# Allegro board pc065c_fibv2_toplevel_26_waive.brd (continued)
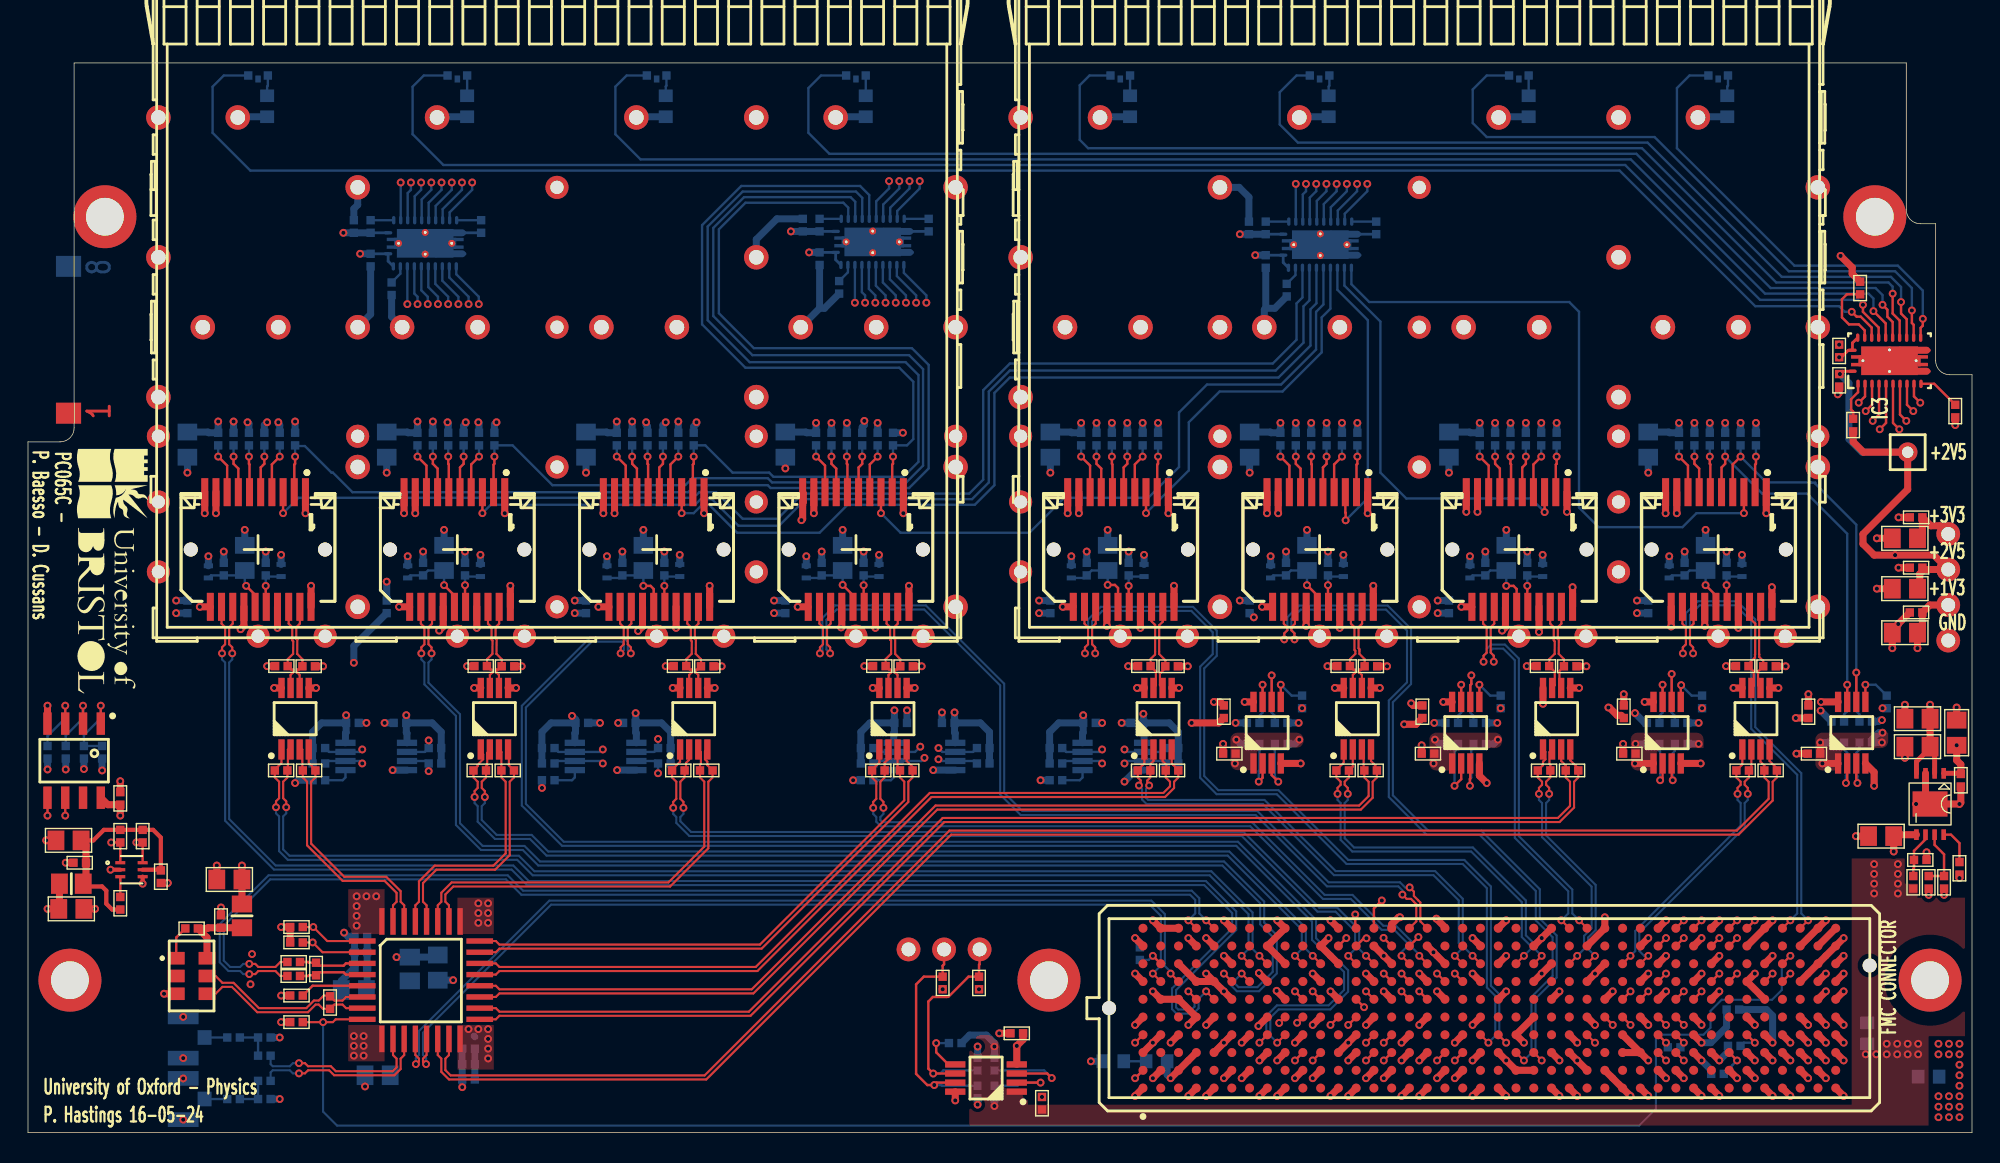
[diagram p0: board, top side]
## Routing (per net, layer and track width the routed paths; a pad name or vN(x,y) marks a point on that pad's centre or on a via; arc(x,y) is an arc through that point) (continued)
  BOTTOM w0.15: v1(98.27,17.02) 98.27,17.32 97.98,17.61 92.88,17.61 87.78,22.71 70.98,22.71 69.51,24.18 69.51,31.98 64.08,37.41 57.82,37.41 57.09,36.68 57.09,34.54 v1(57.35,34.27)
RD_FPGA_P<4>: length 62.3
  TOP w0.15: 103.86,7 v1(104.42,6.43) ; v1(76.31,34.27) 76.31,34.7 76.08,34.92 76.08,36.14 76.34,36.4 J36.13
  BOTTOM w0.15: v1(76.31,34.27) 76.31,34.71 76.08,34.93 76.08,36.57 76.82,37.31 83.18,37.31 84.71,35.78 84.71,34.22 83.81,33.32 83.81,25.38 84.99,24.2 89.29,24.2 94.28,19.21 102.58,19.21 104.31,17.48 104.31,10.38 104.91,9.78 104.91,6.92 v1(104.42,6.43)
RD_FPGA_P<5>: length 53.2
  TOP w0.15: J32.13 90.59,36.4 90.33,36.14 90.33,35.92 90.56,35.7 v1(90.56,35.27) ; 106.39,5.72 v1(106.96,5.16)
  BOTTOM w0.15: v1(90.56,35.27) 90.56,35.71 90.33,35.93 90.33,36.73 91,37.4 97.1,37.4 98.6,35.9 98.6,32.2 97.3,30.9 97.3,24 100,21.3 103.79,21.3 107.81,17.28 107.81,15.18 109.01,13.98 109.01,11.21 107.5,9.7 107.5,5.7 v1(106.96,5.16)
RD_FPGA_P<6>: length 28.3
  TOP w0.15: J28.13 104.84,36.4 104.58,36.14 104.58,34.32 104.81,34.1 v1(104.81,33.67) ; J2.K25 v1(109.64,15.18)
  BOTTOM w0.15: v1(109.64,15.18) 110.13,15.67 110.13,17.26 106.31,21.08 106.31,33.78 105.48,34.61 104.73,34.61 104.58,34.46 104.58,34.33 104.81,34.11 v1(104.81,33.67)
RD_FPGA_P<7>: length 35.3
  TOP w0.15: 125.44,14.62 v1(126.01,15.18) ; J24.13 119.09,36.4 118.83,36.14 118.83,34.92 119.06,34.7 v1(119.06,34.27)
  BOTTOM w0.15: v1(119.06,34.27) 119.06,34.71 118.83,34.93 118.83,37.02 119.52,37.71 122.08,37.71 123.21,36.58 123.21,28.88 126.5,25.59 126.5,15.67 v1(126.01,15.18)
SFP_FAULT<0>: length 91.8
  TOP w0.17: v1(19.1,48.34) 19.1,47.83 19.04,47.77 J7.2
  BOTTOM w0.17: IC5.3 58.65,66.15 58.3,66.5 51.3,66.5 49.4,64.6 49.4,58.6 51.9,56.1 63.2,56.1 64.4,54.9 64.4,47.5 63,46.1 53.1,46.1 52.9,46.3 47.7,46.3 47.2,45.8 23.2,45.8 21.8,47.2 21.7,47.2 19.8,49.1 19.15,49.1 R24.2 v1(19.1,48.34)
SFP_FAULT<1>: length 78.2
  TOP w0.17: v1(33.35,48.34) 33.35,47.83 33.29,47.77 J12.2
  BOTTOM w0.17: IC5.4 59.15,66.57 58.82,66.9 51.2,66.9 49,64.7 49,58.4 51.8,55.6 63,55.6 64,54.6 64,47.7 62.8,46.5 53.2,46.5 52.9,46.8 47.5,46.8 47,46.3 37.5,46.3 34.65,49.15 R36.2 v1(33.35,48.34)
SFP_FAULT<2>: length 64.2
  TOP w0.17: v1(47.6,48.34) 47.6,47.83 47.54,47.77 J16.2
  BOTTOM w0.17: v1(47.6,48.34) R44.2 48.43,49.15 50.38,47.2 53,47.2 53.3,46.9 62.6,46.9 63.67,47.97 63.67,54.18 62.75,55.1 51.6,55.1 48.6,58.1 48.6,64.8 51.1,67.3 59.2,67.3 59.65,66.85 IC5.5
SFP_FAULT<3>: length 48.1
  TOP w0.17: J20.2 61.79,47.77 61.85,47.83 v1(61.85,48.34)
  BOTTOM w0.17: IC5.6 60.15,67.05 59.5,67.7 51,67.7 48.2,64.9 48.2,57.8 51.3,54.7 62.3,54.7 63.3,53.7 63.3,49.6 62.85,49.15 R52.2 v1(61.85,48.34)
SFP_FAULT<4>: length 46
  TOP w0.17: v1(80.8,48.34) 80.8,47.83 80.74,47.77 J36.2
  L6_SIG w0.17: v1(80.8,48.34) 79.64,49.5 73.6,49.5 71.8,51.3 63.9,51.3 57.8,57.4 57.8,65.3 60.55,68.05 v1(61.57,68.05)
  BOTTOM w0.17: IC5.7 60.65,66.6 61.57,67.52 v1(61.57,68.05) ; R125.2 v1(80.8,48.34)
SFP_FAULT<5>: length 56
  TOP w0.17: v1(95.05,48.34) 95.05,47.83 94.99,47.77 J32.2
  L6_SIG w0.17: v1(95.05,48.34) 97,50.3 97,56.8 94.9,58.9 92.9,58.9 86.3,65.5 63.4,65.5 62.3,66.6 v1(62.3,68.05)
  BOTTOM w0.17: IC5.8 61.15,66.37 62.3,67.52 v1(62.3,68.05) ; R117.2 v1(95.05,48.34)
SFP_FAULT<6>: length 69.3
  TOP w0.17: v1(109.3,48.34) 109.3,47.83 109.24,47.77 J28.2
  L6_SIG w0.17: v1(109.3,48.34) 109.79,48.34 110.5,49.05 110.5,58.5 109.6,59.4 93,59.4 86.2,66.2 64.39,66.2 63.03,67.56 v1(63.03,68.05)
  BOTTOM w0.17: v1(63.03,68.05) 63.03,67.52 61.65,66.14 IC5.9 ; R109.2 v1(109.3,48.34)
SFP_FAULT<7>: length 83.1
  TOP w0.17: v1(123.55,48.34) 123.55,47.83 123.49,47.77 J24.2
  L6_SIG w0.17: v1(63.76,68.05) 65.48,69.77 87.53,69.77 87.7,69.6 87.7,65.3 93.1,59.9 113.8,59.9 115.5,58.2 115.5,50.6 116.9,49.2 122.69,49.2 v1(123.55,48.34)
  BOTTOM w0.17: IC5.10 62.15,65.91 63.76,67.52 v1(63.76,68.05) ; R101.2 v1(123.55,48.34)
SFP_FAULT_FPGA<0>: length 120.7
  TOP w0.17: 91.16,8.27 v1(90.75,7.86)
  L6_SIG w0.17: v1(59.12,59.35) 59.12,63.23 59.6,63.7 60.6,63.7 61.5,64.6 85.1,64.6 92.3,57.4 92.3,47.6 100.2,39.7 100.4,39.9 100.4,40 101.8,38.6 101.8,37.1 103.7,35.2 104.8,35.2 105.89,34.11 105.89,27.09 106.4,26.58 106.4,4.9 106,4.5 94.1,4.5 v1(90.75,7.86)
  BOTTOM w0.17: IC5.21 v1(59.12,59.35)
SFP_FAULT_FPGA<1>: length 110.4
  TOP w0.17: J2.F11 v1(91.86,10.1)
  L6_SIG w0.17: v1(91.86,10.1) 93.8,8.16 93.8,6.2 94.2,5.8 100.5,5.8 104.7,10 104.7,25.88 98.5,32.08 98.5,40.27 91.2,47.58 91.2,57.48 84.67,64 64,64 62.9,62.9 59.85,59.85 v1(59.85,59.35)
  BOTTOM w0.17: IC5.20 59.62,60.11 59.85,59.88 v1(59.85,59.35)
SFP_FAULT_FPGA<2>: length 100.1
  TOP w0.17: 94.97,8.27 v1(94.4,7.7)
  L6_SIG w0.17: v1(60.59,59.35) 60.59,59.69 62.2,61.3 86.53,61.3 90.6,57.23 90.6,47.33 97.9,40.03 97.9,31.83 104.1,25.63 104.1,10.5 100.7,7.1 95,7.1 v1(94.4,7.7)
  BOTTOM w0.17: v1(60.59,59.35) 60.59,59.88 60.12,60.34 IC5.19
SFP_FAULT_FPGA<3>: length 85.5
  TOP w0.17: 94.97,13.35 95.52,13.9 v1(95.7,13.9)
  L6_SIG w0.17: v1(61.31,59.35) 61.31,58.59 65.6,54.3 80.4,54.3 82.9,51.8 82.9,44.1 87.25,39.75 87.25,37.65 86.9,37.3 86.9,36.7 91.75,31.85 91.75,26.75 93,25.5 93,19.6 98.2,14.4 98.2,13.5 98.9,12.8 98.9,9.6 98.6,9.3 96.8,9.3 96.4,9.7 96.4,13.2 v1(95.7,13.9)
  BOTTOM w0.17: v1(61.31,59.35) 61.31,59.88 60.62,60.57 IC5.18
SFP_FAULT_FPGA<4>: length 93.1
  TOP w0.17: J2.F14 v1(95.67,10.1)
  L6_SIG w0.17: v1(95.67,10.1) 95.67,9.61 96.58,8.7 100.6,8.7 102.7,10.8 102.7,25.05 96.5,31.25 96.5,39.45 88.65,47.3 88.65,53.95 86.8,55.8 86.8,58.1 84.4,60.5 62.7,60.5 62.05,59.84 v1(62.05,59.35)
  BOTTOM w0.17: v1(62.05,59.35) 62.05,59.88 61.12,60.8 IC5.17
SFP_FAULT_FPGA<5>: length 71
  TOP w0.17: J2.K14 96.23,16.04 v1(96.8,16.6)
  L6_SIG w0.17: v1(96.8,16.6) 96.8,22.6 92.45,26.95 92.45,31.8 89.2,35.05 89.2,38.4 83.3,44.3 83.3,52.3 80.6,55 65.7,55 62.77,57.93 v1(62.77,59.35)
  BOTTOM w0.17: IC5.16 61.62,61.03 62.77,59.88 v1(62.77,59.35)
SFP_FAULT_FPGA<6>: length 77.4
  TOP w0.17: 98.78,13.35 v1(99.42,13.98)
  L6_SIG w0.17: v1(99.42,13.98) 99.42,16.41 100.8,17.8 100.8,24.26 94.6,30.46 94.6,38.66 90.56,42.7 88.4,42.7 86.4,44.7 86.4,53.2 83.9,55.7 65.8,55.7 63.51,57.99 v1(63.51,59.35)
  BOTTOM w0.17: IC5.15 62.12,61.26 63.51,59.88 v1(63.51,59.35)
SFP_FAULT_FPGA<7>: length 79.9
  TOP w0.17: J2.F17 v1(99.48,10.1)
  L6_SIG w0.17: v1(99.48,10.1) 100.2,10.82 100.2,11.7 101.3,12.8 101.3,24.47 95.1,30.67 95.1,38.87 88.23,45.73 88.23,53.11 85.14,56.2 72.4,56.2 69.25,59.35 v1(64.23,59.35)
  BOTTOM w0.17: v1(64.23,59.35) 64.23,59.88 62.62,61.49 IC5.14
SFP_I2C_SCL<0>: length 32.1
  TOP w0.17: J7.5 16.64,47.57 16.9,47.83 v1(16.9,48.34)
  L6_SIG w0.17: v1(23.9,27.4) 20.6,27.4 19.4,28.6 19.4,41.9 16.9,44.4 v1(16.9,48.34)
  BOTTOM w0.17: R27.1 v1(16.9,48.34) ; R140.1 21.52,27.23 IC12.7 23.73,27.23 23.9,27.39 v1(23.9,27.4)
SFP_I2C_SCL<1>: length 34.6
  TOP w0.17: v1(31.15,48.34) 31.15,47.83 30.89,47.57 J12.5
  L6_SIG w0.17: v1(31.15,48.34) 31.15,47.45 33.2,45.4 33.2,41.6 35.6,39.2 39.8,39.2 40.1,38.9 40.1,28.4 v1(41.1,27.4)
  BOTTOM w0.17: R39.1 v1(31.15,48.34) ; R145.1 37.92,27.23 IC14.7 40.92,27.23 v1(41.1,27.4)
SFP_I2C_SCL<2>: length 43
  TOP w0.17: J16.5 45.14,47.57 45.4,47.83 v1(45.4,48.34)
  L6_SIG w0.17: v1(45.4,48.34) 44.7,47.65 44.7,41.2 47,38.9 47,32.54 51.94,27.6 v1(63.8,27.6)
  BOTTOM w0.17: R150.1 60.73,27.23 IC15.7 63.42,27.23 v1(63.8,27.6) ; R47.1 v1(45.4,48.34)
SFP_I2C_SCL<3>: length 47
  TOP w0.17: v1(59.65,48.34) 59.65,47.83 59.39,47.57 J20.5
  L6_SIG w0.17: v1(59.65,48.34) 59.65,48.93 59.82,49.1 62.1,49.1 64.98,46.22 67.12,46.22 67.82,46.92 72.28,46.92 73.28,45.92 75.98,45.92 76.62,45.28 76.62,42.58 77.22,41.98 77.22,41.02 75.52,39.32 75.52,35.72 74.7,34.9 74.7,28.3 75.6,27.4 v1(76.8,27.4)
  BOTTOM w0.17: R155.1 74.22,27.23 IC16.7 76.62,27.23 v1(76.8,27.4) ; R55.1 v1(59.65,48.34)
SFP_I2C_SCL<4>: length 28.5
  TOP w0.17: v1(78.6,48.34) 78.6,47.83 78.34,47.57 J36.5 ; 88.28,30.8 v1(88.28,32.03)
  L6_SIG w0.17: v1(88.28,32.03) 88.28,33.13 87,34.4 85.8,34.4 82.7,37.5 82.7,39.6 78.6,43.7 v1(78.6,48.34)
  BOTTOM w0.17: v1(88.28,32.03) 88.28,30.04 88.05,29.81 R160.1 ; R128.1 v1(78.6,48.34)
SFP_I2C_SCL<5>: length 27.8
  TOP w0.17: v1(92.85,48.34) 92.85,47.83 92.59,47.57 J32.5 ; IC18.7 v1(102.47,32.03)
  L6_SIG w0.17: v1(102.47,32.03) 102.47,33.76 100,36.23 100,40.7 92.85,47.85 v1(92.85,48.34)
  BOTTOM w0.17: R120.1 v1(92.85,48.34) ; v1(102.47,32.03) 102.47,30.04 102.25,29.81 R165.1
SFP_I2C_SCL<6>: length 27.9
  TOP w0.17: IC19.7 v1(116.88,32.03) ; v1(107.1,48.34) 107.1,47.83 106.84,47.57 J28.5
  L6_SIG w0.17: v1(107.1,48.34) 116,39.45 116,32.91 v1(116.88,32.03)
  BOTTOM w0.17: R170.1 116.65,29.81 116.88,30.04 v1(116.88,32.03) ; R112.1 v1(107.1,48.34)
SFP_I2C_SCL<7>: length 29.2
  TOP w0.17: v1(121.35,48.34) 121.35,47.83 121.09,47.57 J24.5 ; 130.07,30.8 v1(130.07,32.03)
  BOTTOM w0.17: R175.1 129.85,29.91 130.07,30.14 v1(130.07,32.03) 130.07,42.83 127.2,45.7 124,45.7 v1(121.35,48.34) R104.1
SFP_I2C_SCL_CVCC<0>: length 85.8
  TOP w0.17: 92.42,5.72 v1(91.86,5.16)
  L3_SIG w0.17: v1(28.65,28.05) 27.9,27.3 27.9,24.7 30.1,22.5 59.3,22.5 61.7,20.1 66.9,20.1 70.2,16.8 70.2,8.4 75.3,3.3 91,3.3 91.2,3.5 91.2,4.5 v1(91.86,5.16)
  BOTTOM w0.17: IC12.2 28.38,27.23 R137.1 v1(28.65,28.05)
SFP_I2C_SCL_CVCC<1>: length 75.9
  TOP w0.17: 98.78,10.8 v1(98.21,11.37)
  L3_SIG w0.17: v1(98.21,11.37) 97.5,12.08 97.5,17.5 98.2,18.2 98.2,25.7 92.5,31.4 90.7,31.4 89.3,30 84.4,30 83.2,31.2 60.8,31.2 57.75,28.15 v1(45.05,28.15)
  BOTTOM w0.17: v1(45.05,28.15) R142.1 44.77,27.23 IC14.2
SFP_I2C_SCL_CVCC<2>: length 48.6
  TOP w0.17: 97.5,5.72 v1(96.94,5.16)
  L3_SIG w0.17: v1(96.94,5.16) 96.45,5.16 95.81,5.8 95.3,5.8 95.1,6 95.1,8.23 94.9,8.43 94.9,9.3 93.5,10.7 91.2,10.7 91.2,10.9 89.8,12.3 89.8,13.6 87.5,15.9 77.9,15.9 77.4,16.4 77.4,18.13 68.03,27.5 v1(65.1,27.5)
  BOTTOM w0.17: v1(65.1,27.5) 65.38,27.23 IC15.2 67.58,27.23 R147.1
SFP_I2C_SCL_CVCC<3>: length 104.3
  TOP w0.17: 121.64,10.8 v1(122.2,11.37)
  L3_SIG w0.17: v1(78.4,27.4) 77.7,28.1 72.3,28.1 71.2,29.2 62.9,29.2 61.9,28.2 61.9,23.4 64.1,21.2 67.83,21.2 83.33,5.7 92.2,5.7 96.4,1.5 112.5,1.5 113.7,2.7 113.7,5.3 114.1,5.7 121.5,5.7 122.2,6.4 v1(122.2,11.37)
  BOTTOM w0.17: R152.1 81.08,27.23 IC16.2 78.58,27.23 v1(78.4,27.4)
SFP_I2C_SCL_CVCC<4>: length 35.1
  TOP w0.17: v1(88,25.1) 88.28,25.38 88.28,26.4 ; 102.58,5.72 v1(102.02,5.16)
  L3_SIG w0.17: v1(88,25.1) 88.7,25.8 91.4,25.8 92.8,24.4 92.8,17 93.7,16.1 93.7,12.4 95.4,10.7 97.33,10.7 97.6,10.43 97.6,9.8 98.5,8.9 99.1,8.9 101.2,6.8 101.2,5.98 v1(102.02,5.16)
  BOTTOM w0.17: R157.1 88.05,25.91 88,25.86 v1(88,25.1)
SFP_I2C_SCL_CVCC<5>: length 36.6
  TOP w0.17: v1(102,24.8) 102.47,25.27 IC18.2 ; J2.D15 v1(96.94,6.43)
  L3_SIG w0.17: v1(102,24.8) 102,17.6 98.8,14.4 98.8,9.9 99.6,9.1 100.3,9.1 102.7,6.7 102.7,5 102.2,4.5 100.4,4.5 100.1,4.8 100.1,5.6 98.6,7.1 97.61,7.1 v1(96.94,6.43)
  BOTTOM w0.17: R162.1 102.25,27.49 102,27.24 v1(102,24.8)
SFP_I2C_SCL_CVCC<6>: length 26.2
  TOP w0.15: v1(116.7,25.2) 116.88,25.38 IC19.2 ; J2.G19 v1(102.02,11.37)
  L3_SIG w0.15: v1(102.02,11.37) 102.65,12 103.7,12 105,13.3 106.6,13.3 108,14.7 108,16.5 v1(116.7,25.2)
  BOTTOM w0.15: R167.1 116.65,27.29 116.7,27.24 v1(116.7,25.2)
SFP_I2C_SCL_CVCC<7>: length 21.3
  TOP w0.17: 130.07,26.4 130.07,25.09 v1(129.99,25) ; J2.G37 v1(126.01,11.37)
  L3_SIG w0.17: v1(126.01,11.37) 127.27,11.37 128,12.1 128,16.1 129.99,18.08 v1(129.99,25)
  BOTTOM w0.17: v1(129.99,25) 129.99,25.54 130.07,25.63 130.07,27.16 129.85,27.39 R172.1
SFP_I2C_SDA<0>: length 34.3
  TOP w0.17: v1(18,48.34) 17.44,47.78 J7.4
  L6_SIG w0.17: v1(23.9,26.4) 24.5,27 24.5,27.93 23.93,28.5 21.7,28.5 20,30.2 20,37.4 21,38.4 21,40.44 19.9,41.54 19.9,42.5 21,43.6 21,44.06 18,47.06 v1(18,48.34)
  BOTTOM w0.17: v1(23.9,26.4) 23.73,26.57 IC12.6 21.43,26.57 R139.1 ; R28.1 v1(18,48.34)
SFP_I2C_SDA<1>: length 35
  TOP w0.17: v1(32.25,48.34) 31.69,47.78 J12.4
  L6_SIG w0.17: v1(32.25,48.34) 32.25,47.45 33.9,45.8 34.6,45.8 36.8,43.6 36.8,42 38.4,40.4 40.3,40.4 41.5,39.2 41.5,28.9 41.9,28.5 41.9,27.2 v1(41.1,26.4)
  BOTTOM w0.17: R144.1 37.83,26.57 IC14.6 40.92,26.57 v1(41.1,26.4) ; R40.1 v1(32.25,48.34)
SFP_I2C_SDA<2>: length 43.4
  TOP w0.17: v1(46.5,48.34) 45.94,47.78 J16.4
  L6_SIG w0.17: v1(64.1,26.8) 64.52,27.22 64.52,28.03 64.35,28.2 53.8,28.2 48.1,33.9 48.1,37.8 47.4,38.5 47.4,41.7 45.7,43.4 45.7,47.55 v1(46.5,48.34)
  BOTTOM w0.17: v1(64.1,26.8) 63.88,26.57 IC15.6 60.62,26.57 R149.1 ; R48.1 v1(46.5,48.34)
SFP_I2C_SDA<3>: length 45.9
  TOP w0.17: J20.4 60.19,47.78 v1(60.75,48.34)
  L6_SIG w0.17: v1(60.75,48.34) 63.3,45.8 67.3,45.8 68,46.5 72.1,46.5 73.1,45.5 75.8,45.5 76.2,45.1 76.2,42.4 76.8,41.8 76.8,41.2 75.1,39.5 75.1,36 74.2,35.1 74.2,27.47 75.27,26.4 v1(76.8,26.4)
  BOTTOM w0.17: v1(76.8,26.4) 76.62,26.57 IC16.6 74.12,26.57 R154.1 ; R56.1 v1(60.75,48.34)
SFP_I2C_SDA<4>: length 29.2
  TOP w0.17: IC17.6 v1(88.92,32.7) ; v1(79.7,48.34) 79.14,47.78 J36.4
  L6_SIG w0.17: v1(79.7,48.34) 79.7,45.8 80.9,44.6 80.9,42.1 83.3,39.7 83.3,37.67 85.47,35.5 86.83,35.5 88.92,33.4 v1(88.92,32.7)
  BOTTOM w0.17: R159.1 89.15,29.81 88.92,30.04 v1(88.92,32.7) ; R129.1 v1(79.7,48.34)
SFP_I2C_SDA<5>: length 30.5
  TOP w0.17: v1(93.95,48.34) 93.39,47.78 J32.4 ; IC18.6 103.12,32 103.2,32.08 v1(103.2,32.7)
  L6_SIG w0.17: v1(103.2,32.7) 100.2,35.7 99.2,35.7 97.4,37.5 97.4,39.77 95.7,41.47 95.7,42.6 96.6,43.5 96.6,46.83 96.43,47 95.3,47 v1(93.95,48.34)
  BOTTOM w0.17: R121.1 v1(93.95,48.34) ; v1(103.2,32.7) 103.2,32.08 103.12,32 103.12,30.04 103.35,29.81 R164.1
SFP_I2C_SDA<6>: length 28.6
  TOP w0.17: v1(108.2,48.34) 107.64,47.78 J28.4 ; IC19.6 v1(117.53,32.8)
  L6_SIG w0.17: v1(117.53,32.8) 116.9,33.42 116.9,39.15 108.2,47.85 v1(108.2,48.34)
  BOTTOM w0.17: R169.1 117.75,29.81 117.53,30.04 v1(117.53,32.8) ; R113.1 v1(108.2,48.34)
SFP_I2C_SDA<7>: length 30.2
  TOP w0.17: J24.4 121.89,47.78 v1(122.45,48.34) ; IC20.6 v1(130.72,32.9)
  BOTTOM w0.17: R105.1 v1(122.45,48.34) 124.3,46.5 127.49,46.5 127.51,46.48 127.8,46.48 127.8,46.4 130.72,43.48 v1(130.72,32.9) 130.72,30.14 130.95,29.91 R174.1
SFP_I2C_SDA_CVCC<0>: length 77.2
  TOP w0.17: 91.16,5.72 v1(90.59,5.16)
  L3_SIG w0.17: v1(90.59,5.16) 89.93,4.5 78.2,4.5 76.3,6.4 76.3,11.8 67.4,20.7 62.1,20.7 58.9,23.9 36.2,23.9 34.25,25.85 v1(28.65,25.85)
  BOTTOM w0.17: v1(28.65,25.85) R136.1 28.48,26.57 IC12.3
SFP_I2C_SDA_CVCC<1>: length 77.3
  TOP w0.17: J2.G15 v1(96.94,11.37)
  L3_SIG w0.17: v1(96.94,11.37) 96.3,12.01 96.3,14.8 95.6,15.5 95.6,16.7 97.5,18.6 97.5,25.7 92.3,30.9 90.8,30.9 88.6,28.7 84.9,28.7 82.8,30.8 61.5,30.8 56.4,25.7 v1(45.05,25.7)
  BOTTOM w0.17: IC14.3 44.88,26.57 R141.1 v1(45.05,25.7)
SFP_I2C_SDA_CVCC<2>: length 48.4
  TOP w0.17: 96.23,5.72 v1(95.67,5.16)
  L3_SIG w0.17: v1(65.1,26.7) 67.7,26.7 76.1,18.3 76.1,14.9 76.5,14.5 88,14.5 89.1,13.4 89.1,11.9 89.9,11.1 89.9,9.9 90.4,9.4 93.4,9.4 93.8,9 93.8,6.2 94.2,5.8 94.54,5.8 95.18,5.16 v1(95.67,5.16)
  BOTTOM w0.17: R146.1 67.67,26.57 IC15.3 65.22,26.57 v1(65.1,26.7)
SFP_I2C_SDA_CVCC<3>: length 101.7
  TOP w0.17: J2.G33 v1(120.93,11.37)
  L3_SIG w0.17: v1(120.93,11.37) 120.41,10.85 120.41,7.51 119.9,7 113.4,7 112.7,6.3 112.7,2.8 111.8,1.9 96.6,1.9 92.5,6 92.5,8.2 92.2,8.5 81.23,8.5 68.13,21.6 64.5,21.6 62.9,23.2 62.9,27.79 63.31,28.2 70.78,28.2 73.48,25.5 77.5,25.5 v1(78.4,26.4)
  BOTTOM w0.17: v1(78.4,26.4) 78.58,26.57 IC16.3 81.17,26.57 R151.1
SFP_I2C_SDA_CVCC<4>: length 31.4
  TOP w0.17: v1(89.4,25.1) 88.92,25.57 IC17.3 ; 101.31,5.72 v1(100.75,5.16)
  L3_SIG w0.17: v1(89.4,25.1) 90.2,25.1 91.9,23.4 91.9,13.7 93.1,12.5 93.1,11.8 95.4,9.5 96.9,9.5 100.75,5.65 v1(100.75,5.16)
  BOTTOM w0.17: 89.3,25.2 89.3,25.31 89.15,25.45 ; 89.3,25.2 89.15,25.34 89.15,25.45 ; 89.3,25.2 v1(89.4,25.1) ; 89.15,25.45 R156.1
SFP_I2C_SDA_CVCC<5>: length 39.3
  TOP w0.17: IC18.3 103.12,25.32 103.1,25.29 v1(103.1,24.8) ; J2.D14 v1(95.67,6.43)
  L3_SIG w0.17: v1(103.1,24.8) 103.1,14.6 100.1,11.6 100.1,9.9 103.9,6.1 103.9,4.7 102.4,3.2 99.9,3.2 98.8,4.3 98.8,5.4 98.4,5.8 96.79,5.8 96.16,6.43 v1(95.67,6.43)
  BOTTOM w0.17: v1(103.1,24.8) 103.1,25.29 103.19,25.39 103.19,27.33 103.35,27.49 R161.1
SFP_I2C_SDA_CVCC<6>: length 30.8
  TOP w0.15: IC19.3 117.53,25.27 v1(117.6,25.2) ; J2.G18 v1(100.75,11.37)
  L3_SIG w0.15: v1(100.75,11.37) 102.02,10.1 104.6,10.1 106.5,12 108.6,12 109.1,12.5 109.1,16.7 v1(117.6,25.2)
  BOTTOM w0.15: R166.1 117.75,27.29 117.6,27.14 v1(117.6,25.2)
SFP_I2C_SDA_CVCC<7>: length 25.2
  TOP w0.17: J2.G36 v1(124.74,11.37) ; v1(130.81,25) 130.72,25.08 IC20.3
  L3_SIG w0.17: v1(124.74,11.37) 125.41,10.7 128.93,10.7 129.2,10.97 129.2,16.3 131.3,18.4 131.3,24.5 v1(130.81,25)
  BOTTOM w0.17: R171.1 130.95,27.39 130.72,27.16 130.72,25.57 130.81,25.49 v1(130.81,25)
SFP_LOS<0>: length 33.7
  TOP w0.17: J7.8 14.24,47.7 v1(13.6,48.34)
  L3_SIG w0.17: v1(26.65,67.95) 26.65,66.55 25.5,65.4 22.4,65.4 12.9,55.9 12.9,49.05 v1(13.6,48.34)
  BOTTOM w0.17: IC4.3 v1(26.65,67.95) ; R25.2 v1(13.6,48.34)
SFP_LOS<1>: length 28
  TOP w0.17: J12.8 28.49,47.7 v1(27.85,48.34)
  L3_SIG w0.17: v1(27.85,48.34) 26.6,49.59 26.6,55.3 25.2,56.7 25.2,63.5 27.38,65.68 v1(27.38,67.95)
  BOTTOM w0.17: IC4.4 27.15,67.19 27.38,67.42 v1(27.38,67.95) ; R37.2 v1(27.85,48.34)
SFP_LOS<2>: length 35.4
  TOP w0.17: v1(42.1,48.34) 42.74,47.7 J16.8
  L3_SIG w0.17: v1(42.1,48.34) 40.26,48.34 38.2,50.4 38.2,55 33.1,60.1 29.5,60.1 27.7,61.9 27.7,64.9 28.11,65.31 v1(28.11,67.95)
  BOTTOM w0.17: IC4.5 27.65,66.96 28.11,67.42 v1(28.11,67.95) ; R45.2 v1(42.1,48.34)
SFP_LOS<3>: length 49.7
  TOP w0.17: J20.8 56.99,47.7 v1(56.35,48.34)
  L3_SIG w0.17: v1(56.35,48.34) 50.66,48.34 49.1,49.9 49.1,58.7 46.2,61.6 31.2,61.6 29,63.8 29,67.3 28.84,67.46 v1(28.84,67.95)
  BOTTOM w0.17: IC4.6 28.15,66.73 28.84,67.42 v1(28.84,67.95) ; R53.2 v1(56.35,48.34)
SFP_LOS<4>: length 63.9
  TOP w0.17: v1(75.3,48.34) 75.94,47.7 J36.8
  L3_SIG w0.17: v1(75.3,48.34) 70.56,48.34 65.5,53.4 53.6,53.4 51.9,55.1 51.9,58.5 46.5,63.9 31.3,63.9 29.57,65.63 v1(29.57,67.95)
  BOTTOM w0.17: R126.2 v1(75.3,48.34) ; v1(29.57,67.95) 29.57,67.42 28.65,66.5 IC4.7
SFP_LOS<5>: length 77.2
  TOP w0.17: J32.8 90.19,47.7 v1(89.55,48.34)
  L3_SIG w0.17: v1(30.3,67.95) 30.3,66.1 31.8,64.6 47,64.6 53,58.6 53,55.2 54,54.2 83.69,54.2 v1(89.55,48.34)
  BOTTOM w0.17: v1(30.3,67.95) 30.3,67.42 29.15,66.27 IC4.8 ; R118.2 v1(89.55,48.34)
SFP_LOS<6>: length 90.9
  TOP w0.17: v1(103.8,48.34) 104.44,47.7 J28.8
  L3_SIG w0.17: v1(103.8,48.34) 100.08,52.07 90,52.07 87.17,54.9 58.07,54.9 56.87,56.1 56.87,59.8 51.6,65.07 32.3,65.07 31.03,66.34 v1(31.03,67.95)
  BOTTOM w0.17: v1(31.03,67.95) 31.03,67.42 29.65,66.04 IC4.9 ; R110.2 v1(103.8,48.34)
SFP_LOS<7>: length 104.3
  TOP w0.17: J24.8 118.69,47.7 v1(118.05,48.34)
  L3_SIG w0.17: v1(118.05,48.34) 112.85,48.34 108.4,52.8 90.3,52.8 87.5,55.6 58.4,55.6 57.6,56.4 57.6,60.1 51.9,65.8 32.6,65.8 31.76,66.64 v1(31.76,67.95)
  BOTTOM w0.17: R102.2 v1(118.05,48.34) ; IC4.10 30.15,65.81 31.76,67.42 v1(31.76,67.95)
SFP_LOS_FPGA<0>: length 112.2
  TOP w0.17: 89.89,8.27 v1(89.46,7.84)
  L6_SIG w0.17: v1(27.12,59.25) 26.63,59.25 ; 26.63,59.25 25.95,59.25 25.9,59.2 ; 26.63,59.25 26.58,59.2 25.9,59.2 ; 25.9,59.2 24.8,58.1 24.8,44.9 24.4,44.5 24.4,39.3 25.3,38.4 25.3,35.2 26.2,34.3 26.2,29.4 27.6,28 27.6,22 28.5,21.1 67.4,21.1 79.7,8.8 88.5,8.8 v1(89.46,7.84)
  BOTTOM w0.17: IC4.21 v1(27.12,59.25)
SFP_LOS_FPGA<1>: length 111.5
  TOP w0.17: J2.F10 v1(90.59,10.1)
  L6_SIG w0.17: v1(90.59,10.1) 89.94,9.45 79.75,9.45 67.6,21.6 30.8,21.6 29.5,22.9 29.5,28.4 26.9,31 26.9,36.2 29.1,38.4 29.1,41.5 28.5,42.1 27.5,42.1 26.2,43.4 26.2,53.4 28.1,55.3 28.1,58.4 27.86,58.65 v1(27.86,59.25)
  BOTTOM w0.17: v1(27.86,59.25) 27.86,59.78 27.62,60.01 IC4.20
SFP_LOS_FPGA<2>: length 114.4
  TOP w0.17: 93.69,8.27 v1(93.13,7.7)
  L6_SIG w0.17: v1(28.59,59.25) 28.59,58.52 28.9,58.2 28.9,55.1 26.6,52.8 26.6,46.5 28.6,44.5 28.6,43 29.6,42 29.6,41.4 30.5,40.5 30.5,38.2 27.6,35.3 27.6,31.5 30.6,28.5 30.6,23.4 31.7,22.3 72.1,22.3 82.4,12 90,12 91.26,10.74 91.26,9.56 v1(93.13,7.7)
  BOTTOM w0.17: IC4.19 28.12,60.24 28.59,59.78 v1(28.59,59.25)
SFP_LOS_FPGA<3>: length 108.1
  TOP w0.17: 93.69,13.35 v1(94.26,13.91)
  L6_SIG w0.17: v1(29.32,59.25) 29.32,58.69 29.6,58.4 29.6,54.9 27.1,52.4 27.1,47.3 30.5,43.9 30.5,41.3 33,38.8 33,25.8 35.6,23.2 44.9,23.2 45.6,23.9 73.4,23.9 80.7,16.6 89.2,16.6 92.5,13.3 93.65,13.3 v1(94.26,13.91)
  BOTTOM w0.17: v1(29.32,59.25) 29.32,59.78 28.62,60.47 IC4.18
SFP_LOS_FPGA<4>: length 104.2
  TOP w0.17: J2.F13 v1(95.53,8.97)
  L6_SIG w0.17: v1(95.53,8.97) 95,9.5 95,14.2 91.49,17.71 80.7,17.71 69.71,28.7 58.5,28.7 49.4,37.8 48.7,37.8 47.8,38.7 47.8,46 48.9,47.1 48.9,50.8 48.29,51.41 33.46,51.41 30.05,54.83 v1(30.05,59.25)
  BOTTOM w0.17: IC4.17 29.12,60.7 30.05,59.78 v1(30.05,59.25)
SFP_LOS_FPGA<5>: length 97.4
  TOP w0.17: J2.K13 94.97,14.84 94.9,14.9 v1(94.9,15.6)
  L6_SIG w0.17: v1(30.77,59.25) 30.77,58.76 30.5,58.48 30.5,55.4 33.76,52.14 48.59,52.14 49.34,51.39 49.34,44.04 48.4,43.1 48.4,41.04 49.85,39.59 49.85,37.95 56.56,31.24 67.86,31.24 80.66,18.44 91.36,18.44 94.2,15.6 v1(94.9,15.6)
  BOTTOM w0.17: v1(30.77,59.25) 30.77,59.78 29.62,60.93 IC4.16
SFP_LOS_FPGA<6>: length 99.5
  TOP w0.17: J2.J15 v1(96.92,13.93)
  L6_SIG w0.17: v1(96.92,13.93) 95.6,15.25 95.6,15.8 92.23,19.17 80.5,19.17 67.27,32.4 56.1,32.4 50.4,38.1 50.4,40.8 51,41.4 51,43.2 50.4,43.8 50.4,51.37 48.9,52.87 34.07,52.87 31,55.94 31,58.25 31.5,58.76 v1(31.5,59.25)
  BOTTOM w0.17: v1(31.5,59.25) 31.5,59.78 30.12,61.16 IC4.15
SFP_LOS_FPGA<7>: length 103
  TOP w0.17: 98.78,9.54 v1(98.21,10.1)
  L6_SIG w0.17: v1(32.23,59.25) 34.65,59.25 35.9,58 35.9,54.9 37.2,53.6 49.2,53.6 50.8,52 50.8,44.5 51.6,43.7 51.6,41.4 50.8,40.6 50.8,38.5 56.5,32.8 67.5,32.8 80.4,19.9 92.1,19.9 97.58,14.42 97.58,10.73 v1(98.21,10.1)
  BOTTOM w0.17: v1(32.23,59.25) 32.23,59.78 30.62,61.39 IC4.14
SFP_TD_N: length 6.4
  TOP w0.15: U3.6 19.43,32.73 19.25,32.91 19.25,33.12 19.39,33.12 R23.1 19.62,33.85 19.25,34.24 19.26,35.25 19.18,35.33 19.18,36.14 19.44,36.4 J7.19
SFP_TD_N_1: length 6.4
  TOP w0.15: U4.6 33.67,32.73 33.49,32.91 33.49,33.12 33.64,33.12 R35.1 33.88,33.85 33.5,34.24 33.5,34.24 33.51,35.3 33.44,35.38 33.44,36.14 33.69,36.4 J12.19
SFP_TD_N_2: length 6.4
  TOP w0.15: 47.92,31.8 47.92,32.73 47.74,32.91 47.74,33.12 47.89,33.12 R43.1 48.12,33.85 47.75,34.24 47.76,35.26 47.69,35.33 47.69,36.14 47.94,36.4 J16.19
SFP_TD_N_3: length 6.4
  TOP w0.15: J20.19 62.19,36.4 61.94,36.14 61.94,35.37 62,35.3 62,34.23 62.37,33.86 R51.1 62.14,33.12 61.99,33.12 61.99,32.91 62.17,32.73 U6.6
SFP_TD_N_4: length 6.2
  TOP w0.15: U7.6 123.7,31.98 123.7,32.98 R100.1 124.07,33.73 123.79,34.01 123.79,34.19 123.78,34.2 123.78,36.08 123.79,36.09 123.79,36.59 123.89,36.69 J24.19
SFP_TD_N_5: length 6.3
  TOP w0.15: J28.19 109.64,36.4 109.39,36.14 109.39,35.32 109.46,35.24 109.45,34.24 109.83,33.85 R108.1 109.5,33.03 109.5,31.93 U8.6
SFP_TD_N_6: length 6.4
  TOP w0.15: J32.19 95.39,36.4 95.14,36.14 95.14,34.64 95.2,34.57 95.2,34.45 95.2,34.24 95.58,33.85 R116.1 95.34,33.12 95.19,33.12 95.19,32.91 95.38,32.73 U9.6
SFP_TD_N_7: length 6.3
  TOP w0.15: U10.6 80.94,31.99 80.94,32.84 81.32,33.22 R124.1 81.32,33.77 80.88,34.23 80.88,34.4 80.88,36.28 81.14,36.54 J36.19
SFP_TD_P: length 6.4
  TOP w0.15: U3.7 18.77,32.73 18.95,32.91 18.95,33.12 18.81,33.12 R22.1 18.57,33.86 18.96,34.24 18.97,35.13 18.89,35.2 18.89,36.14 18.64,36.4 J7.18
SFP_TD_P_1: length 6.4
  TOP w0.15: U4.7 33.02,32.73 33.2,32.91 33.2,33.12 33.06,33.12 R34.1 32.83,33.86 33.21,34.24 33.22,35.18 33.15,35.26 33.15,36.14 32.89,36.4 J12.18
SFP_TD_P_2: length 6.4
  TOP w0.15: U5.7 47.27,32.73 47.45,32.91 47.45,33.12 47.31,33.12 R42.1 47.08,33.86 47.46,34.24 47.47,35.14 47.4,35.21 47.4,36.14 47.14,36.4 J16.18
SFP_TD_P_3: length 6.4
  TOP w0.15: U6.7 61.52,32.73 61.7,32.91 61.7,33.12 61.56,33.12 R50.1 61.33,33.86 61.71,34.24 61.71,34.24 61.71,35.18 61.65,35.24 61.65,36.14 61.39,36.4 J20.18
SFP_TD_P_4: length 6.4
  TOP w0.15: J24.18 123.09,36.81 123.5,36.4 123.5,36.22 123.49,36.2 123.49,34.2 123.48,34.19 123.48,33.97 123.02,33.53 R99.1 123.39,32.99 123.39,31.96 U7.7
SFP_TD_P_5: length 6.3
  TOP w0.15: U8.7 109.17,31.99 109.17,32.97 R107.1 108.78,33.86 109.16,34.24 109.16,34.24 109.17,35.12 109.09,35.2 109.09,36.14 108.84,36.4 J28.18
SFP_TD_P_6: length 6.4
  TOP w0.15: U9.7 94.72,32.73 94.91,32.91 94.91,33.12 94.76,33.12 R115.1 94.53,33.86 94.91,34.24 94.91,34.45 94.84,34.52 94.84,36.14 94.59,36.4 J32.18
SFP_TD_P_7: length 6.3
  TOP w0.15: J36.18 80.34,36.56 80.59,36.31 80.59,34.4 80.59,34.19 80.28,33.88 R123.1 80.6,33.03 80.6,32.99 80.64,32.95 80.64,31.97 U10.7
SFP_TX_DISABLE<0>: length 89.7
  TOP w0.17: J7.3 v1(18.24,44.3)
  BOTTOM w0.17: IC6.21 91.12,59.73 90.7,59.3 90.7,56.7 89,55 70.2,55 68.3,53.1 68.3,46.7 67.3,45.7 55.4,45.7 53.6,43.9 51.1,43.9 49.2,45.8 48,45.8 47.6,45.4 19.34,45.4 v1(18.24,44.3)
SFP_TX_DISABLE<1>: length 76.2
  TOP w0.17: J12.3 v1(32.49,44.3)
  BOTTOM w0.17: v1(32.49,44.3) 33.09,44.9 47.7,44.9 48.1,45.3 48.9,45.3 50.8,43.4 53.7,43.4 55.6,45.3 67.5,45.3 68.7,46.5 68.7,53 70.2,54.5 89.21,54.5 91.2,56.49 91.2,59.09 91.62,59.52 IC6.20
